# KiCad board ButterStick.kicad_pcb (continued)
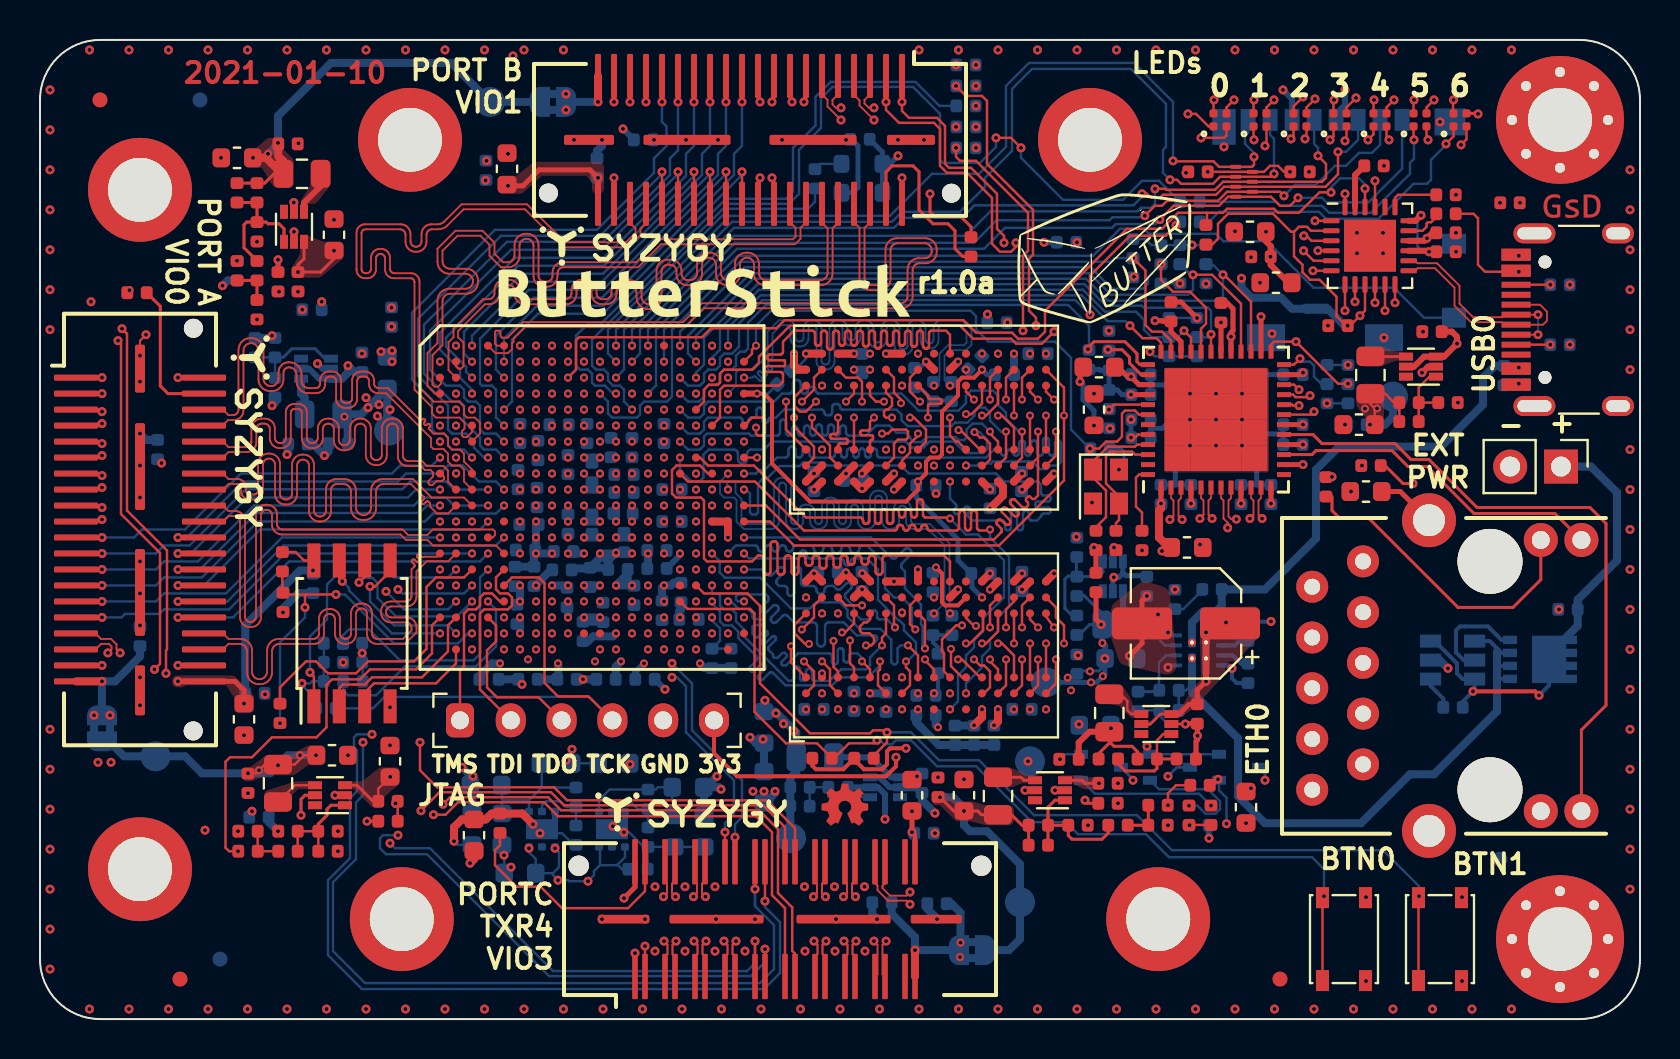
[diagram p0: board, top side]
## Routing (per net, layer and track width the routed paths; a pad name or vN(x,y) marks a point on that pad's centre or on a via; arc(x,y) is an arc through that point) (continued)
/FPGA-DDR3L/DQ0: length 32.2
  Top w0.12: v2(41.7,30.1) 41.5,29.9 41.5,29.57 41.5,29.55 41.49,29.52 41.47,29.5 41.45,29.48 41.43,29.47 41.41,29.46 41.38,29.45 41.12,29.45 41.09,29.45 41.07,29.44 41.05,29.43 41.03,29.41 41.01,29.39 41,29.36 41,29.33 41,29.31 41.01,29.28 41.03,29.26 41.05,29.24 41.07,29.23 41.09,29.22 41.12,29.21 41.57,29.21 41.59,29.21 41.61,29.21 41.62,29.2 41.63,29.19 41.64,29.17 41.65,29.16 41.65,29.14 41.65,29.05 41.65,29.03 41.64,29.02 41.63,29 41.62,28.99 41.61,28.98 41.59,28.98 41.56,28.97 41.54,28.97 41.53,28.96 41.52,28.95 41.51,28.93 41.5,28.92 41.5,28.9 U11.E3 ; v2(41.1,17.9) 41.5,17.5 U12.E3
  In5.Cu w0.12: v2(41.7,30.1) 41.05,29.45 41.05,29.15 40.72,28.82 40.72,26.28 41,26 41,23.2 41.49,22.71 41.49,20.39 41.21,20.11 41.21,19.16 40.93,18.88 40.93,18.07 v2(41.1,17.9)
  Bottom w0.12: v2(34.4,20.9) 34.55,20.9 34.93,20.53 35.4,20.53 35.62,20.3 35.62,20.15 35.63,20.12 35.64,20.09 35.66,20.06 35.68,20.04 35.71,20.02 35.74,20.01 35.77,20.01 36.08,20.01 36.11,20.01 36.14,20 36.17,19.98 36.19,19.96 36.21,19.93 36.22,19.9 36.22,19.86 36.22,19.83 36.21,19.8 36.19,19.77 36.17,19.75 36.14,19.73 36.11,19.72 36.08,19.72 35.71,19.72 35.62,19.63 35.62,19.27 35.76,19.14 35.78,19.12 35.81,19.11 35.83,19.11 35.86,19.11 35.88,19.11 35.91,19.12 35.93,19.14 36.19,19.4 36.21,19.41 36.23,19.43 36.26,19.43 36.29,19.43 36.31,19.43 36.34,19.41 36.36,19.4 36.37,19.38 36.39,19.35 36.39,19.33 36.39,19.3 36.39,19.27 36.37,19.25 36.36,19.23 36.1,18.97 36.08,18.95 36.07,18.93 36.07,18.9 36.07,18.87 36.07,18.85 36.08,18.82 36.1,18.8 36.12,18.78 36.14,18.77 36.17,18.77 36.2,18.77 36.22,18.77 36.25,18.78 36.27,18.8 36.6,19.13 36.62,19.15 36.64,19.16 36.67,19.16 36.7,19.16 36.72,19.16 36.75,19.15 36.77,19.13 36.78,19.11 36.8,19.08 36.8,19.06 36.8,19.03 36.8,19 36.78,18.98 36.77,18.96 36.44,18.63 36.42,18.61 36.41,18.59 36.4,18.56 36.4,18.53 36.41,18.51 36.42,18.48 36.44,18.46 36.65,18.25 36.65,18.15 36.72,18.07 36.88,18.07 37.12,18.32 37.25,18.32 37.35,18.22 37.35,18.15 37.07,17.87 37.07,17.75 37.12,17.7 37.3,17.7 37.9,18.3 39.45,18.3 39.48,18.3 39.51,18.29 39.54,18.27 39.56,18.25 39.58,18.22 39.59,18.19 39.59,18.15 39.59,17.89 39.6,17.86 39.61,17.83 39.63,17.8 39.65,17.78 39.68,17.76 39.71,17.75 39.74,17.75 39.77,17.75 39.8,17.76 39.83,17.78 39.85,17.8 39.87,17.83 39.88,17.86 39.88,17.89 39.88,18.42 39.89,18.45 39.9,18.48 39.91,18.5 39.93,18.52 39.96,18.54 39.98,18.55 40.01,18.55 40.05,18.55 40.08,18.55 40.1,18.54 40.13,18.52 40.15,18.5 40.16,18.48 40.17,18.45 40.18,18.42 40.18,17.99 40.18,17.96 40.19,17.93 40.21,17.9 40.23,17.88 40.26,17.86 40.29,17.85 40.32,17.85 40.35,17.85 40.38,17.86 40.41,17.88 40.43,17.9 40.45,17.93 40.46,17.96 40.47,17.99 40.47,18.15 40.47,18.19 40.48,18.22 40.5,18.25 40.52,18.27 40.55,18.29 40.58,18.3 40.61,18.3 40.88,18.3 41.1,18.07 v2(41.1,17.9)
/FPGA-DDR3L/DQ1: length 31.5
  Top w0.12: U12.F7 42.3,19.3 42.1,19.1 v2(42.1,18.7) ; U11.F7 42.3,31.35 42.6,31.05 42.6,30.7 42.4,30.5 42.3,30.5 42.2,30.4 42.2,30.2 42.3,30.1 v2(42.6,30.1)
  In5.Cu w0.12: v2(42.1,18.7) 42.1,19.2 42.3,19.4 42.3,23.72 42.3,23.74 42.29,23.76 42.28,23.78 42.26,23.8 42.24,23.81 42.22,23.82 42.18,23.82 42.16,23.83 42.14,23.84 42.12,23.86 42.11,23.88 42.1,23.9 42.1,23.92 42.1,23.96 42.1,23.98 42.11,24 42.12,24.02 42.14,24.04 42.16,24.05 42.18,24.06 42.22,24.06 42.24,24.07 42.26,24.08 42.28,24.1 42.29,24.12 42.3,24.14 42.3,24.16 42.3,24.2 42.3,24.22 42.29,24.24 42.28,24.26 42.26,24.28 42.24,24.29 42.22,24.3 42.18,24.3 42.16,24.31 42.14,24.32 42.12,24.34 42.11,24.36 42.1,24.38 42.1,24.4 42.1,24.44 42.1,24.46 42.11,24.48 42.12,24.5 42.14,24.52 42.16,24.53 42.18,24.54 42.22,24.54 42.24,24.55 42.26,24.56 42.28,24.58 42.29,24.6 42.3,24.62 42.3,24.64 42.3,24.68 42.3,24.7 42.29,24.72 42.28,24.74 42.26,24.76 42.24,24.77 42.22,24.78 42.18,24.78 42.16,24.79 42.14,24.8 42.12,24.82 42.11,24.84 42.1,24.86 42.1,24.88 42.1,24.92 42.1,24.94 42.11,24.96 42.12,24.98 42.14,25 42.16,25.01 42.18,25.02 42.22,25.02 42.24,25.03 42.26,25.04 42.28,25.06 42.29,25.08 42.3,25.1 42.3,25.12 42.3,25.16 42.3,25.18 42.29,25.2 42.28,25.22 42.26,25.24 42.24,25.25 42.22,25.26 42.18,25.26 42.16,25.27 42.14,25.28 42.12,25.3 42.11,25.32 42.1,25.34 42.1,25.36 42.1,25.4 42.1,25.42 42.11,25.44 42.12,25.46 42.14,25.48 42.16,25.49 42.18,25.5 42.22,25.5 42.24,25.51 42.26,25.52 42.28,25.54 42.29,25.56 42.3,25.58 42.3,25.6 42.3,25.87 42,26.17 42,27.7 41.8,27.9 41.8,28.65 42.05,28.9 42.35,28.9 42.6,29.15 v2(42.6,30.1)
  Bottom w0.12: v2(33.6,21.7) 33.6,21.37 33.68,21.3 33.9,21.3 34,21.2 34,20.7 34.2,20.5 34.6,20.5 34.8,20.3 34.8,19.9 35.2,19.5 35.2,19.15 37.42,16.93 37.55,16.93 37.58,16.93 37.61,16.94 37.64,16.96 37.67,16.98 37.68,17.01 37.7,17.04 37.7,17.08 37.7,17.48 37.7,17.51 37.71,17.55 37.73,17.57 37.76,17.6 37.78,17.62 37.82,17.63 37.85,17.63 37.88,17.63 37.91,17.62 37.94,17.6 37.97,17.57 37.98,17.55 38,17.51 38,17.48 38,17.08 38,17.04 38.01,17.01 38.03,16.98 38.06,16.96 38.08,16.94 38.12,16.93 38.15,16.93 38.18,16.93 38.21,16.94 38.24,16.96 38.27,16.98 38.28,17.01 38.3,17.04 38.3,17.08 38.3,17.38 38.3,17.41 38.31,17.45 38.33,17.47 38.36,17.5 38.38,17.52 38.42,17.53 38.45,17.53 38.48,17.53 38.51,17.52 38.54,17.5 38.57,17.47 38.58,17.45 38.6,17.41 38.6,17.38 38.6,17.08 38.6,17.04 38.61,17.01 38.63,16.98 38.66,16.96 38.68,16.94 38.72,16.93 38.75,16.93 39.48,16.93 40.05,17.5 41.3,17.5 41.5,17.7 41.5,18.1 v2(42.1,18.7)
/FPGA-DDR3L/DQ2: length 31.5
  Top w0.12: U12.F2 41.9,16.7 41.9,17.4 42,17.5 v2(42,17.9) ; U11.F2 42.7,28.1 42.7,28.8 42.9,29 43.3,29 43.4,29.1 43.4,29.4 43.3,29.5 42.6,29.5 42.4,29.3 v2(42.1,29.3)
  In5.Cu w0.12: v2(42,17.9) 41.72,18.18 41.72,19.32 41.92,19.52 41.92,23.08 41.8,23.2 41.8,25.9 41.75,25.95 41.75,27.6 41.25,28.1 41.25,28.45 v2(42.1,29.3)
  Bottom w0.12: v2(42,17.9) 42,17.7 41.4,17.1 40,17.1 39.6,16.7 37.28,16.7 36.67,17.31 36.64,17.33 36.61,17.34 36.58,17.35 36.55,17.35 36.51,17.34 36.48,17.33 36.46,17.31 36.15,17 36.13,16.98 36.1,16.97 36.06,16.96 36.03,16.96 36,16.97 35.97,16.98 35.94,17 35.92,17.03 35.91,17.06 35.9,17.09 35.9,17.13 35.91,17.16 35.92,17.19 35.94,17.22 36.24,17.52 36.26,17.55 36.28,17.58 36.29,17.61 36.29,17.64 36.28,17.67 36.26,17.7 36.24,17.73 36.22,17.75 36.19,17.77 36.15,17.77 36.12,17.77 36.09,17.77 36.06,17.75 36.03,17.73 35.73,17.43 35.7,17.41 35.67,17.39 35.64,17.39 35.61,17.39 35.57,17.39 35.54,17.41 35.52,17.43 35.5,17.45 35.48,17.48 35.47,17.52 35.47,17.55 35.48,17.58 35.5,17.61 35.52,17.64 35.82,17.94 35.84,17.97 35.86,18 35.86,18.03 35.86,18.07 35.86,18.1 35.84,18.13 35.82,18.16 34.92,19.06 34.92,19.38 34.9,19.4 34.6,19.7 34.2,19.7 34,19.9 34,20.4 33.6,20.8 v2(33.6,20.9)
/FPGA-DDR3L/DQ3: length 32
  Top w0.12: U11.F8 42.7,32.1 42.7,31.35 43.05,31 v2(43.05,30.82) ; U12.F8 42.7,20.7 42.7,19.65 v2(42.75,19.6)
  In5.Cu w0.12: v2(42.75,19.6) 42.7,19.65 42.7,21.3 43.1,21.7 43.1,22.05 42.6,22.55 42.6,23.06 42.6,23.08 42.61,23.1 42.62,23.12 42.64,23.14 42.66,23.15 42.68,23.16 42.72,23.16 42.74,23.17 42.76,23.18 42.78,23.2 42.79,23.22 42.8,23.24 42.8,23.26 42.8,23.3 42.8,23.32 42.79,23.34 42.78,23.36 42.76,23.38 42.74,23.39 42.72,23.4 42.68,23.4 42.66,23.41 42.64,23.42 42.62,23.44 42.61,23.46 42.6,23.48 42.6,23.5 42.6,23.54 42.6,23.56 42.61,23.58 42.62,23.6 42.64,23.62 42.66,23.63 42.68,23.64 42.72,23.64 42.74,23.65 42.76,23.66 42.78,23.68 42.79,23.7 42.8,23.72 42.8,23.74 42.8,23.78 42.8,23.8 42.79,23.82 42.78,23.84 42.76,23.86 42.74,23.87 42.72,23.88 42.68,23.88 42.66,23.89 42.64,23.9 42.62,23.92 42.61,23.94 42.6,23.96 42.6,23.98 42.6,24.02 42.6,24.04 42.61,24.06 42.62,24.08 42.64,24.1 42.66,24.11 42.68,24.12 42.72,24.12 42.74,24.13 42.76,24.14 42.78,24.16 42.79,24.18 42.8,24.2 42.8,24.22 42.8,24.26 42.8,24.28 42.79,24.3 42.78,24.32 42.76,24.34 42.74,24.35 42.72,24.36 42.68,24.36 42.66,24.37 42.64,24.38 42.62,24.4 42.61,24.42 42.6,24.44 42.6,24.46 42.6,24.5 42.6,24.52 42.61,24.54 42.62,24.56 42.64,24.58 42.66,24.59 42.68,24.6 42.72,24.6 42.74,24.61 42.76,24.62 42.78,24.64 42.79,24.66 42.8,24.68 42.8,24.7 42.8,24.74 42.8,24.76 42.79,24.78 42.78,24.8 42.76,24.82 42.74,24.83 42.72,24.84 42.68,24.84 42.66,24.85 42.64,24.86 42.62,24.88 42.61,24.9 42.6,24.92 42.6,24.94 42.6,24.98 42.6,25 42.61,25.02 42.62,25.04 42.64,25.06 42.66,25.07 42.68,25.08 42.72,25.08 42.74,25.09 42.76,25.1 42.78,25.12 42.79,25.14 42.8,25.16 42.8,25.18 42.8,25.22 42.8,25.24 42.79,25.26 42.78,25.28 42.76,25.3 42.74,25.31 42.72,25.32 42.68,25.32 42.66,25.33 42.64,25.34 42.62,25.36 42.61,25.38 42.6,25.4 42.6,25.42 42.6,25.46 42.6,25.48 42.61,25.5 42.62,25.52 42.64,25.54 42.66,25.55 42.68,25.56 42.72,25.56 42.74,25.57 42.76,25.58 42.78,25.6 42.79,25.62 42.8,25.64 42.8,25.66 42.8,25.7 42.8,25.72 42.79,25.74 42.78,25.76 42.76,25.78 42.74,25.79 42.72,25.8 42.68,25.8 42.66,25.81 42.64,25.82 42.62,25.84 42.61,25.86 42.6,25.88 42.6,25.9 42.6,26 42.3,26.3 42.3,27.65 42.7,28.05 42.7,28.75 43.05,29.1 v2(43.05,30.82)
  Bottom w0.12: v2(35.2,22.5) 36.12,22.5 36.38,22.24 36.41,22.22 36.45,22.2 36.48,22.19 36.52,22.19 36.56,22.2 36.59,22.22 36.62,22.24 36.95,22.57 36.98,22.59 37.01,22.61 37.05,22.62 37.09,22.62 37.12,22.61 37.16,22.59 37.19,22.57 37.21,22.54 37.23,22.5 37.24,22.47 37.24,22.43 37.23,22.39 37.21,22.36 37.19,22.33 36.86,22 36.84,21.97 36.82,21.94 36.81,21.9 36.81,21.86 36.82,21.83 36.84,21.79 36.86,21.76 36.95,21.67 37.2,21.67 37.24,21.67 37.27,21.66 37.31,21.64 37.33,21.61 37.35,21.58 37.37,21.54 37.37,21.5 37.37,21.34 37.37,21.31 37.39,21.27 37.41,21.24 37.43,21.21 37.47,21.19 37.5,21.18 37.54,21.17 37.58,21.18 37.61,21.19 37.65,21.21 37.67,21.24 37.69,21.27 37.71,21.31 37.71,21.34 37.71,22.45 37.71,22.49 37.73,22.53 37.75,22.56 37.77,22.59 37.81,22.61 37.84,22.62 37.88,22.62 37.92,22.62 37.95,22.61 37.99,22.59 38.01,22.56 38.03,22.53 38.05,22.49 38.05,22.45 38.05,21.84 38.05,21.81 38.07,21.77 38.09,21.74 38.11,21.71 38.15,21.69 38.18,21.68 38.22,21.67 38.62,21.67 38.67,21.67 38.71,21.66 38.75,21.63 38.78,21.6 38.81,21.56 38.82,21.52 38.83,21.43 38.84,21.39 38.87,21.35 38.9,21.32 38.94,21.29 38.98,21.28 39.03,21.27 39.07,21.28 39.11,21.29 39.15,21.32 39.18,21.35 39.21,21.39 39.22,21.43 39.23,21.52 39.24,21.56 39.27,21.6 39.3,21.63 39.34,21.66 39.38,21.67 39.43,21.67 39.68,21.67 39.81,21.54 39.84,21.51 39.88,21.5 39.91,21.49 39.95,21.49 39.99,21.5 40.02,21.51 40.05,21.54 40.3,21.78 40.33,21.81 40.36,21.82 40.4,21.83 40.44,21.83 40.48,21.82 40.51,21.81 40.54,21.78 40.56,21.75 40.58,21.72 40.59,21.68 40.59,21.65 40.58,21.61 40.56,21.57 40.54,21.54 40.29,21.3 40.27,21.27 40.25,21.23 40.24,21.2 40.24,21.16 40.25,21.12 40.27,21.09 40.29,21.06 40.7,20.65 40.7,20.35 41.05,20 41.4,20 41.43,20 41.47,20.01 41.49,20.03 41.52,20.06 41.54,20.08 41.55,20.12 41.55,20.15 41.55,20.3 41.55,20.33 41.56,20.37 41.58,20.39 41.61,20.42 41.63,20.44 41.67,20.45 41.7,20.45 41.73,20.45 41.77,20.44 41.79,20.42 41.82,20.39 41.84,20.37 41.85,20.33 41.85,20.3 41.85,20.15 41.85,20.12 41.86,20.08 41.88,20.06 41.91,20.03 41.93,20.01 41.97,20 42,20 42.35,20 v2(42.75,19.6)
/FPGA-DDR3L/DQ4: length 32.2
  Top w0.12: v2(43.4,18.7) 43.9,18.2 U12.H3 ; v2(43.5,30.1) 43.7,30.1 44.3,29.5 44.3,28.9 U11.H3
  In5.Cu w0.12: v2(43.5,30.1) 43.5,28.25 43.1,27.85 43.1,26.6 43.3,26.4 43.3,26 43.1,25.8 43.1,25.7 43.1,25.67 43.11,25.65 43.13,25.63 43.15,25.61 43.17,25.59 43.19,25.58 43.22,25.58 43.36,25.58 43.39,25.58 43.41,25.57 43.44,25.55 43.46,25.53 43.47,25.51 43.48,25.49 43.48,25.46 43.48,25.43 43.47,25.41 43.46,25.39 43.44,25.37 43.41,25.35 43.39,25.34 43.36,25.34 43.22,25.34 43.19,25.34 43.17,25.33 43.15,25.31 43.13,25.29 43.11,25.27 43.1,25.25 43.1,25.22 43.1,25.19 43.11,25.17 43.13,25.15 43.15,25.13 43.17,25.11 43.19,25.1 43.22,25.1 43.36,25.1 43.39,25.1 43.41,25.09 43.44,25.07 43.46,25.05 43.47,25.03 43.48,25.01 43.48,24.98 43.48,24.95 43.47,24.93 43.46,24.91 43.44,24.89 43.41,24.87 43.39,24.86 43.36,24.86 43.22,24.86 43.19,24.86 43.17,24.85 43.15,24.83 43.13,24.81 43.11,24.79 43.1,24.77 43.1,24.74 43.1,24.1 43.1,24.07 43.11,24.05 43.13,24.03 43.15,24.01 43.17,23.99 43.19,23.98 43.22,23.98 43.36,23.98 43.39,23.98 43.41,23.97 43.44,23.95 43.46,23.93 43.47,23.91 43.48,23.89 43.48,23.86 43.48,23.83 43.47,23.81 43.46,23.79 43.44,23.77 43.41,23.75 43.39,23.74 43.36,23.74 43.22,23.74 43.19,23.74 43.17,23.73 43.15,23.71 43.13,23.69 43.11,23.67 43.1,23.65 43.1,23.62 43.1,22.4 43.5,22 43.5,20.15 43.12,19.77 43.12,18.97 v2(43.4,18.7)
  Bottom w0.12: v2(33.6,23.3) 33.99,22.91 33.99,22.35 34.25,22.09 36.01,22.09 37.55,20.55 38.5,20.55 38.8,20.85 40,20.85 40.38,20.47 40.38,20.12 40.97,19.52 42.03,19.52 42.56,18.99 42.56,17.86 42.68,17.75 42.78,17.75 42.88,17.85 42.88,18.55 43.03,18.7 v2(43.4,18.7)
/FPGA-DDR3L/DQ5: length 32.2
  Top w0.12: v2(43.76,19.5) 43.5,19.76 43.5,20.7 U12.H8 ; U11.H8 43.5,32.1 43.5,31.4 v2(44,30.9)
  In5.Cu w0.12: v2(43.76,19.5) 44.05,19.79 44.05,21.42 44.05,21.45 44.06,21.47 44.08,21.49 44.1,21.51 44.12,21.53 44.14,21.54 44.17,21.54 44.43,21.54 44.46,21.54 44.48,21.55 44.5,21.57 44.52,21.59 44.54,21.61 44.55,21.63 44.55,21.66 44.55,21.69 44.54,21.71 44.52,21.73 44.5,21.75 44.48,21.77 44.46,21.78 44.43,21.78 44.17,21.78 44.14,21.78 44.12,21.79 44.1,21.81 44.08,21.83 44.06,21.85 44.05,21.87 44.05,21.9 44.05,22 44.35,22.3 44.35,22.8 44.35,22.83 44.34,22.85 44.32,22.87 44.3,22.89 44.28,22.91 44.26,22.92 44.23,22.92 44.22,22.92 44.19,22.92 44.17,22.93 44.15,22.95 44.13,22.97 44.11,22.99 44.1,23.01 44.1,23.04 44.1,23.07 44.11,23.09 44.13,23.11 44.15,23.13 44.17,23.15 44.19,23.16 44.22,23.16 44.23,23.16 44.26,23.16 44.28,23.17 44.3,23.19 44.32,23.21 44.34,23.23 44.35,23.25 44.35,23.28 44.35,23.31 44.34,23.33 44.32,23.35 44.3,23.37 44.28,23.39 44.26,23.4 44.23,23.4 44.22,23.4 44.19,23.4 44.17,23.41 44.15,23.43 44.13,23.45 44.11,23.47 44.1,23.49 44.1,23.52 44.1,23.55 44.11,23.57 44.13,23.59 44.15,23.61 44.17,23.63 44.19,23.64 44.22,23.64 44.23,23.64 44.26,23.64 44.28,23.65 44.3,23.67 44.32,23.69 44.34,23.71 44.35,23.73 44.35,23.76 44.35,23.79 44.34,23.81 44.32,23.83 44.3,23.85 44.28,23.87 44.26,23.88 44.23,23.88 44.22,23.88 44.19,23.88 44.17,23.89 44.15,23.91 44.13,23.93 44.11,23.95 44.1,23.97 44.1,24 44.1,24.03 44.11,24.05 44.13,24.07 44.15,24.09 44.17,24.11 44.19,24.12 44.22,24.12 44.23,24.12 44.26,24.12 44.28,24.13 44.3,24.15 44.32,24.17 44.34,24.19 44.35,24.21 44.35,24.24 44.35,26.25 44.3,26.3 44.3,29.55 44,29.85 v2(44,30.9)
  Bottom w0.12: v2(34.4,23.3) 34.8,23.7 35.75,23.7 35.78,23.7 35.82,23.69 35.84,23.67 35.87,23.64 35.89,23.62 35.9,23.58 35.9,23.52 35.91,23.48 35.93,23.46 35.96,23.43 35.98,23.41 36.02,23.4 36.05,23.4 36.1,23.4 36.13,23.4 36.17,23.41 36.19,23.43 36.22,23.46 36.24,23.48 36.25,23.52 36.25,23.58 36.26,23.62 36.28,23.64 36.31,23.67 36.33,23.69 36.37,23.7 36.4,23.7 36.45,23.7 36.48,23.7 36.52,23.69 36.54,23.67 36.57,23.64 36.59,23.62 36.6,23.58 36.6,23.52 36.61,23.48 36.63,23.46 36.66,23.43 36.68,23.41 36.72,23.4 36.75,23.4 36.8,23.4 36.83,23.4 36.87,23.41 36.89,23.43 36.92,23.46 36.94,23.48 36.95,23.52 36.95,23.58 36.96,23.62 36.98,23.64 37.01,23.67 37.03,23.69 37.07,23.7 37.1,23.7 37.15,23.7 37.18,23.7 37.22,23.69 37.24,23.67 37.27,23.64 37.29,23.62 37.3,23.58 37.3,23.52 37.31,23.48 37.33,23.46 37.36,23.43 37.38,23.41 37.42,23.4 37.45,23.4 37.5,23.4 37.53,23.4 37.57,23.41 37.59,23.43 37.62,23.46 37.64,23.48 37.65,23.52 37.65,23.58 37.66,23.62 37.68,23.64 37.71,23.67 37.73,23.69 37.77,23.7 37.8,23.7 38.51,23.7 38.55,23.7 38.6,23.68 38.63,23.66 38.66,23.63 38.69,23.59 38.7,23.55 38.71,23.46 38.72,23.42 38.75,23.38 38.78,23.35 38.82,23.33 38.86,23.32 38.9,23.31 38.96,23.31 39,23.32 39.05,23.33 39.08,23.35 39.11,23.38 39.14,23.42 39.15,23.46 39.16,23.55 39.17,23.59 39.2,23.63 39.23,23.66 39.27,23.68 39.31,23.7 39.35,23.7 39.41,23.7 39.45,23.7 39.5,23.68 39.53,23.66 39.56,23.63 39.59,23.59 39.6,23.55 39.61,23.46 39.62,23.42 39.65,23.38 39.68,23.35 39.72,23.33 39.76,23.32 39.8,23.31 39.86,23.31 39.9,23.32 39.95,23.33 39.98,23.35 40.01,23.38 40.04,23.42 40.05,23.46 40.06,23.55 40.07,23.59 40.1,23.63 40.13,23.66 40.17,23.68 40.21,23.7 40.25,23.7 40.31,23.7 40.35,23.7 40.4,23.68 40.43,23.66 40.46,23.63 40.49,23.59 40.5,23.55 40.51,23.46 40.52,23.42 40.55,23.38 40.58,23.35 40.62,23.33 40.66,23.32 40.7,23.31 40.76,23.31 40.8,23.32 40.85,23.33 40.88,23.35 40.91,23.38 40.94,23.42 40.95,23.46 40.96,23.55 40.97,23.59 41,23.63 41.03,23.66 41.07,23.68 41.11,23.7 41.15,23.7 41.35,23.7 42.25,22.8 42.25,21.55 42.7,21.1 43.1,21.1 43.6,20.6 43.6,19.66 v2(43.76,19.5)
/FPGA-DDR3L/DQ6: length 31.5
  Top w0.12: U11.G2 43.1,27.95 43.5,28.35 43.5,28.8 43.9,29.2 v2(43.9,29.3) ; U12.G2 43.5,16.7 43.5,17.4 43.3,17.6 v2(43.3,17.9)
  In5.Cu w0.12: v2(43.9,29.3) 43.9,28.3 43.35,27.75 43.35,26.75 43.8,26.3 43.8,26.2 43.8,26.18 43.79,26.16 43.78,26.14 43.77,26.13 43.75,26.12 43.73,26.11 43.69,26.11 43.67,26.1 43.65,26.09 43.64,26.07 43.63,26.06 43.62,26.04 43.62,26.02 43.62,25.96 43.62,25.94 43.63,25.92 43.64,25.9 43.65,25.89 43.67,25.88 43.69,25.87 43.71,25.87 43.8,25.87 43.8,25.86 43.92,25.86 43.94,25.86 43.97,25.85 43.99,25.83 44.01,25.82 44.02,25.79 44.03,25.77 44.03,25.74 44.03,25.74 44.03,25.71 44.02,25.69 44.01,25.66 43.99,25.65 43.97,25.63 43.94,25.62 43.89,25.62 43.87,25.61 43.84,25.59 43.83,25.58 43.81,25.55 43.8,25.53 43.8,25.5 43.8,25.5 43.8,25.47 43.81,25.45 43.83,25.43 43.84,25.41 43.87,25.4 43.89,25.39 43.94,25.38 43.97,25.37 43.99,25.36 44.01,25.34 44.02,25.32 44.03,25.29 44.03,25.27 44.03,25.26 44.03,25.23 44.02,25.21 44.01,25.19 43.99,25.17 43.97,25.16 43.94,25.15 43.89,25.14 43.87,25.13 43.84,25.12 43.83,25.1 43.81,25.08 43.8,25.05 43.8,25.03 43.8,25.02 43.8,24.99 43.81,24.97 43.83,24.95 43.84,24.93 43.87,24.92 43.89,24.91 43.94,24.9 43.97,24.89 43.99,24.88 44.01,24.86 44.02,24.84 44.03,24.81 44.03,24.79 44.03,24.78 44.03,24.75 44.02,24.73 44.01,24.71 43.99,24.69 43.97,24.68 43.94,24.67 43.92,24.66 43.8,24.66 43.8,24.66 43.68,24.66 43.66,24.66 43.63,24.65 43.61,24.63 43.59,24.62 43.58,24.59 43.57,24.57 43.57,24.54 43.57,24.54 43.57,24.51 43.58,24.49 43.59,24.46 43.61,24.45 43.63,24.43 43.66,24.42 43.71,24.42 43.73,24.41 43.76,24.39 43.77,24.38 43.79,24.35 43.8,24.33 43.8,24.3 43.8,23.1 43.47,22.77 43.47,22.37 43.74,22.11 43.74,20.09 43.39,19.74 43.39,19.26 43.88,18.77 43.88,18.48 v2(43.3,17.9)
  Bottom w0.12: v2(43.3,17.9) 43.35,17.9 43.8,18.35 43.8,18.85 43.2,19.45 43.2,19.72 42.95,19.96 42.92,19.96 41.9,20.98 41.9,22.5 41.35,23.05 40.71,23.05 40.67,23.05 40.63,23.03 40.6,23.01 40.57,22.99 40.55,22.95 40.54,22.92 40.53,22.88 40.53,22.87 40.53,22.83 40.52,22.8 40.5,22.76 40.47,22.74 40.44,22.72 40.4,22.7 40.37,22.7 40.33,22.7 40.29,22.72 40.26,22.74 40.23,22.76 40.21,22.8 40.2,22.83 40.19,22.87 40.19,22.88 40.19,22.92 40.18,22.95 40.16,22.99 40.13,23.01 40.1,23.03 40.06,23.05 40.03,23.05 38.5,23.05 38.47,23.05 38.43,23.07 38.4,23.09 38.37,23.11 38.35,23.15 38.34,23.18 38.34,23.22 38.34,23.28 38.33,23.32 38.32,23.35 38.3,23.39 38.27,23.41 38.24,23.43 38.2,23.45 38.16,23.45 38.13,23.45 38.09,23.43 38.06,23.41 38.03,23.39 38.01,23.35 38,23.32 38,23.28 38,23.22 37.99,23.18 37.98,23.15 37.96,23.11 37.93,23.09 37.9,23.07 37.86,23.05 37.82,23.05 35.45,23.05 v2(35.2,23.3)
/FPGA-DDR3L/DQ7: length 31.9
  Top w0.12: U12.H7 44.25,19.95 v2(44.25,18.55) ; U11.H7 44.4,31.2 44.4,31.15 44.4,31.12 44.41,31.1 44.43,31.08 44.45,31.06 44.47,31.04 44.49,31.03 44.52,31.03 44.98,31.03 45.01,31.03 45.03,31.02 45.05,31 45.07,30.98 45.09,30.96 45.1,30.94 45.1,30.91 45.1,30.88 45.09,30.86 45.07,30.84 45.05,30.82 45.03,30.8 45.01,30.79 44.98,30.79 44.52,30.79 44.49,30.79 44.47,30.78 44.45,30.76 44.43,30.74 44.41,30.72 44.4,30.7 44.4,30.67 v2(44.4,30.1)
  In5.Cu w0.12: v2(44.4,30.1) 45.1,29.4 45.1,26.7 45.25,26.55 45.25,25.8 45.1,25.65 45.1,23.05 45.25,22.9 45.25,20.9 45.1,20.75 45.1,19.95 44.3,19.15 44.3,18.6 v2(44.25,18.55)
  Bottom w0.12: v2(35.2,24.1) 41.55,24.1 42.55,23.1 42.58,23.08 42.62,23.06 42.67,23.05 42.71,23.05 42.75,23.06 42.79,23.08 42.83,23.1 43.22,23.5 43.26,23.53 43.3,23.55 43.34,23.56 43.39,23.56 43.43,23.55 43.47,23.53 43.51,23.5 43.54,23.46 43.55,23.42 43.56,23.38 43.56,23.33 43.55,23.29 43.54,23.25 43.51,23.22 43.11,22.82 43.08,22.79 43.07,22.74 43.06,22.7 43.06,22.66 43.07,22.61 43.08,22.57 43.11,22.54 43.25,22.4 43.25,21.55 44.05,20.75 44.05,19.75 44.12,19.67 44.12,18.67 v2(44.25,18.55)
/FPGA-DDR3L/DQ8: length 30.2
  Top w0.12: U11.D7 40.7,31.3 v2(40.3,30.9) ; U12.D7 40.7,19.8 40.25,19.35 v2(40.1,19.35)
  In2.Cu w0.12: v2(40.1,19.35) 40.5,19.75 40.5,20.65 39.33,21.82 39.33,22.25 39.32,22.27 39.3,22.29 39.27,22.3 39.25,22.31 39.19,22.32 39.17,22.33 39.15,22.34 39.13,22.36 39.11,22.38 39.1,22.41 39.1,22.43 39.1,22.6 38.92,22.78 38.9,22.79 38.88,22.81 38.85,22.81 38.82,22.81 38.8,22.81 38.77,22.79 38.75,22.78 38.72,22.74 38.7,22.72 38.67,22.71 38.65,22.71 38.62,22.71 38.59,22.71 38.57,22.72 38.55,22.74 38.53,22.76 38.52,22.79 38.51,22.81 38.51,22.84 38.52,22.86 38.53,22.89 38.55,22.91 38.58,22.95 38.6,22.97 38.61,22.99 38.62,23.02 38.62,23.04 38.61,23.07 38.6,23.1 38.58,23.12 37.67,24.03 37.65,24.06 37.63,24.09 37.62,24.13 37.62,24.17 37.63,24.21 37.65,24.24 37.67,24.28 37.76,24.37 37.79,24.4 37.81,24.43 37.81,24.47 37.81,24.51 37.81,24.55 37.79,24.58 37.76,24.61 37.73,24.64 37.7,24.66 37.66,24.66 37.62,24.66 37.58,24.66 37.55,24.64 37.52,24.61 37.42,24.52 37.39,24.5 37.36,24.48 37.32,24.47 37.28,24.47 37.24,24.48 37.21,24.5 37.18,24.52 37.15,24.55 37.14,24.59 37.13,24.63 37.13,24.67 37.14,24.7 37.15,24.74 37.18,24.77 37.27,24.86 37.29,24.89 37.31,24.93 37.32,24.97 37.32,25.01 37.31,25.04 37.29,25.08 37.27,25.11 37.24,25.13 37.2,25.15 37.17,25.16 37.13,25.16 37.09,25.15 37.05,25.13 37.02,25.11 36.93,25.02 36.9,24.99 36.86,24.98 36.83,24.97 36.79,24.97 36.75,24.98 36.71,24.99 36.68,25.02 36.66,25.05 36.64,25.08 36.63,25.12 36.63,25.16 36.64,25.2 36.66,25.23 36.68,25.27 36.77,25.36 36.8,25.39 36.82,25.42 36.82,25.46 36.82,25.5 36.82,25.54 36.8,25.57 36.77,25.6 36.74,25.63 36.71,25.65 36.67,25.65 36.63,25.65 36.59,25.65 36.56,25.63 36.53,25.6 36.43,25.51 36.4,25.49 36.37,25.47 36.33,25.46 36.29,25.46 36.25,25.47 36.22,25.49 36.19,25.51 36.1,25.6 35.62,25.6 35.6,25.6 35.58,25.61 35.56,25.62 35.54,25.64 35.53,25.66 35.52,25.68 35.52,25.72 35.51,25.74 35.5,25.76 35.48,25.78 35.46,25.79 35.44,25.8 35.42,25.8 35.38,25.8 35.36,25.8 35.34,25.79 35.32,25.78 35.3,25.76 35.29,25.74 35.28,25.72 35.28,25.68 35.27,25.66 35.26,25.64 35.24,25.62 35.22,25.61 35.2,25.6 35.18,25.6 35.14,25.6 35.12,25.6 35.1,25.61 35.08,25.62 35.06,25.64 35.05,25.66 35.04,25.68 35.04,25.72 35.03,25.74 35.02,25.76 35,25.78 34.98,25.79 34.96,25.8 34.94,25.8 34.9,25.8 34.88,25.8 34.86,25.79 34.84,25.78 34.82,25.76 34.81,25.74 34.8,25.72 34.8,25.68 34.79,25.66 34.78,25.64 34.76,25.62 34.74,25.61 34.72,25.6 34.7,25.6 34.5,25.6 v2(34.4,25.7)
  In5.Cu w0.12: v2(40.1,19.35) 40.5,19.75 40.5,20.55 40.07,20.97 40.07,21.37 39.6,21.85 39.6,23.1 39.6,23.13 39.61,23.16 39.63,23.19 39.65,23.21 39.68,23.23 39.71,23.24 39.75,23.24 39.92,23.24 39.95,23.25 39.98,23.26 40.01,23.28 40.04,23.3 40.05,23.33 40.06,23.36 40.07,23.39 40.06,23.42 40.05,23.45 40.04,23.48 40.01,23.5 39.98,23.52 39.95,23.53 39.92,23.53 39.75,23.53 39.71,23.54 39.68,23.55 39.65,23.57 39.63,23.59 39.61,23.62 39.6,23.65 39.6,23.68 39.6,23.71 39.61,23.74 39.63,23.77 39.65,23.79 39.68,23.81 39.71,23.82 39.75,23.82 39.92,23.82 39.95,23.83 39.98,23.84 40.01,23.86 40.04,23.88 40.05,23.91 40.06,23.94 40.07,23.97 40.06,24 40.05,24.03 40.04,24.06 40.01,24.08 39.98,24.1 39.95,24.11 39.92,24.11 39.75,24.11 39.71,24.12 39.68,24.13 39.65,24.15 39.63,24.17 39.61,24.2 39.6,24.23 39.6,24.26 39.6,24.29 39.61,24.32 39.63,24.35 39.65,24.37 39.68,24.39 39.71,24.4 39.75,24.4 39.92,24.4 39.95,24.41 39.98,24.42 40.01,24.44 40.04,24.46 40.05,24.49 40.06,24.52 40.07,24.55 40.06,24.58 40.05,24.61 40.04,24.64 40.01,24.66 39.98,24.68 39.95,24.69 39.92,24.69 39.75,24.69 39.71,24.7 39.68,24.71 39.65,24.73 39.63,24.75 39.61,24.78 39.6,24.81 39.6,24.84 39.6,24.87 39.61,24.9 39.63,24.93 39.65,24.95 39.68,24.97 39.71,24.98 39.75,24.98 39.82,24.98 39.85,24.99 39.88,25 39.91,25.02 39.94,25.04 39.95,25.07 39.96,25.1 39.97,25.13 39.96,25.16 39.95,25.19 39.94,25.22 39.91,25.24 39.88,25.26 39.85,25.27 39.82,25.27 39.75,25.27 39.71,25.28 39.68,25.29 39.65,25.31 39.63,25.33 39.61,25.36 39.6,25.39 39.6,25.42 39.6,26.6 39.35,26.85 39.35,27.75 40,28.4 40,29.65 40.3,29.95 v2(40.3,30.9)
/FPGA-DDR3L/DQ9: length 29.6
  Top w0.12: U12.C3 39.9,17.4 39.68,17.62 v2(39.68,18.92) ; U11.C3 39.9,28.68 39.9,28.71 39.91,28.73 39.93,28.75 39.95,28.77 39.97,28.79 39.99,28.8 40.02,28.8 40.28,28.8 40.31,28.8 40.33,28.81 40.35,28.83 40.37,28.85 40.39,28.87 40.4,28.89 40.4,28.92 40.4,28.95 40.39,28.97 40.37,28.99 40.35,29.01 40.33,29.03 40.31,29.04 40.28,29.04 39.62,29.04 39.59,29.04 39.57,29.05 39.55,29.07 39.53,29.09 39.51,29.11 39.5,29.13 39.5,29.16 39.5,29.19 39.51,29.21 39.53,29.23 39.55,29.25 39.57,29.27 39.59,29.28 39.62,29.28 39.78,29.28 39.81,29.28 39.83,29.29 39.85,29.31 39.87,29.33 39.89,29.35 39.9,29.37 39.9,29.4 v2(39.9,30.1)
  In2.Cu w0.12: 32.9,25.7 v2(32.8,25.7) 33,25.5 33.2,25.5 33.4,25.3 36,25.3 38.2,23.1 38.2,22.2 38.75,21.65 39.15,21.65 40.28,20.52 40.28,20.07 40.1,19.9 39.9,19.9 39.68,19.67 v2(39.68,18.92)
  In5.Cu w0.12: v2(39.68,18.92) 39.68,19.67 39.9,19.9 40.2,19.9 40.29,19.99 40.29,20.46 39.75,21 39.75,21.22 39.3,21.67 39.3,25.85 39.1,26.05 39.1,27.9 39.68,28.48 39.68,29.88 v2(39.9,30.1)
